# KiCad board CXD-ROUTER-V1.0_PUBLISH.kicad_pcb
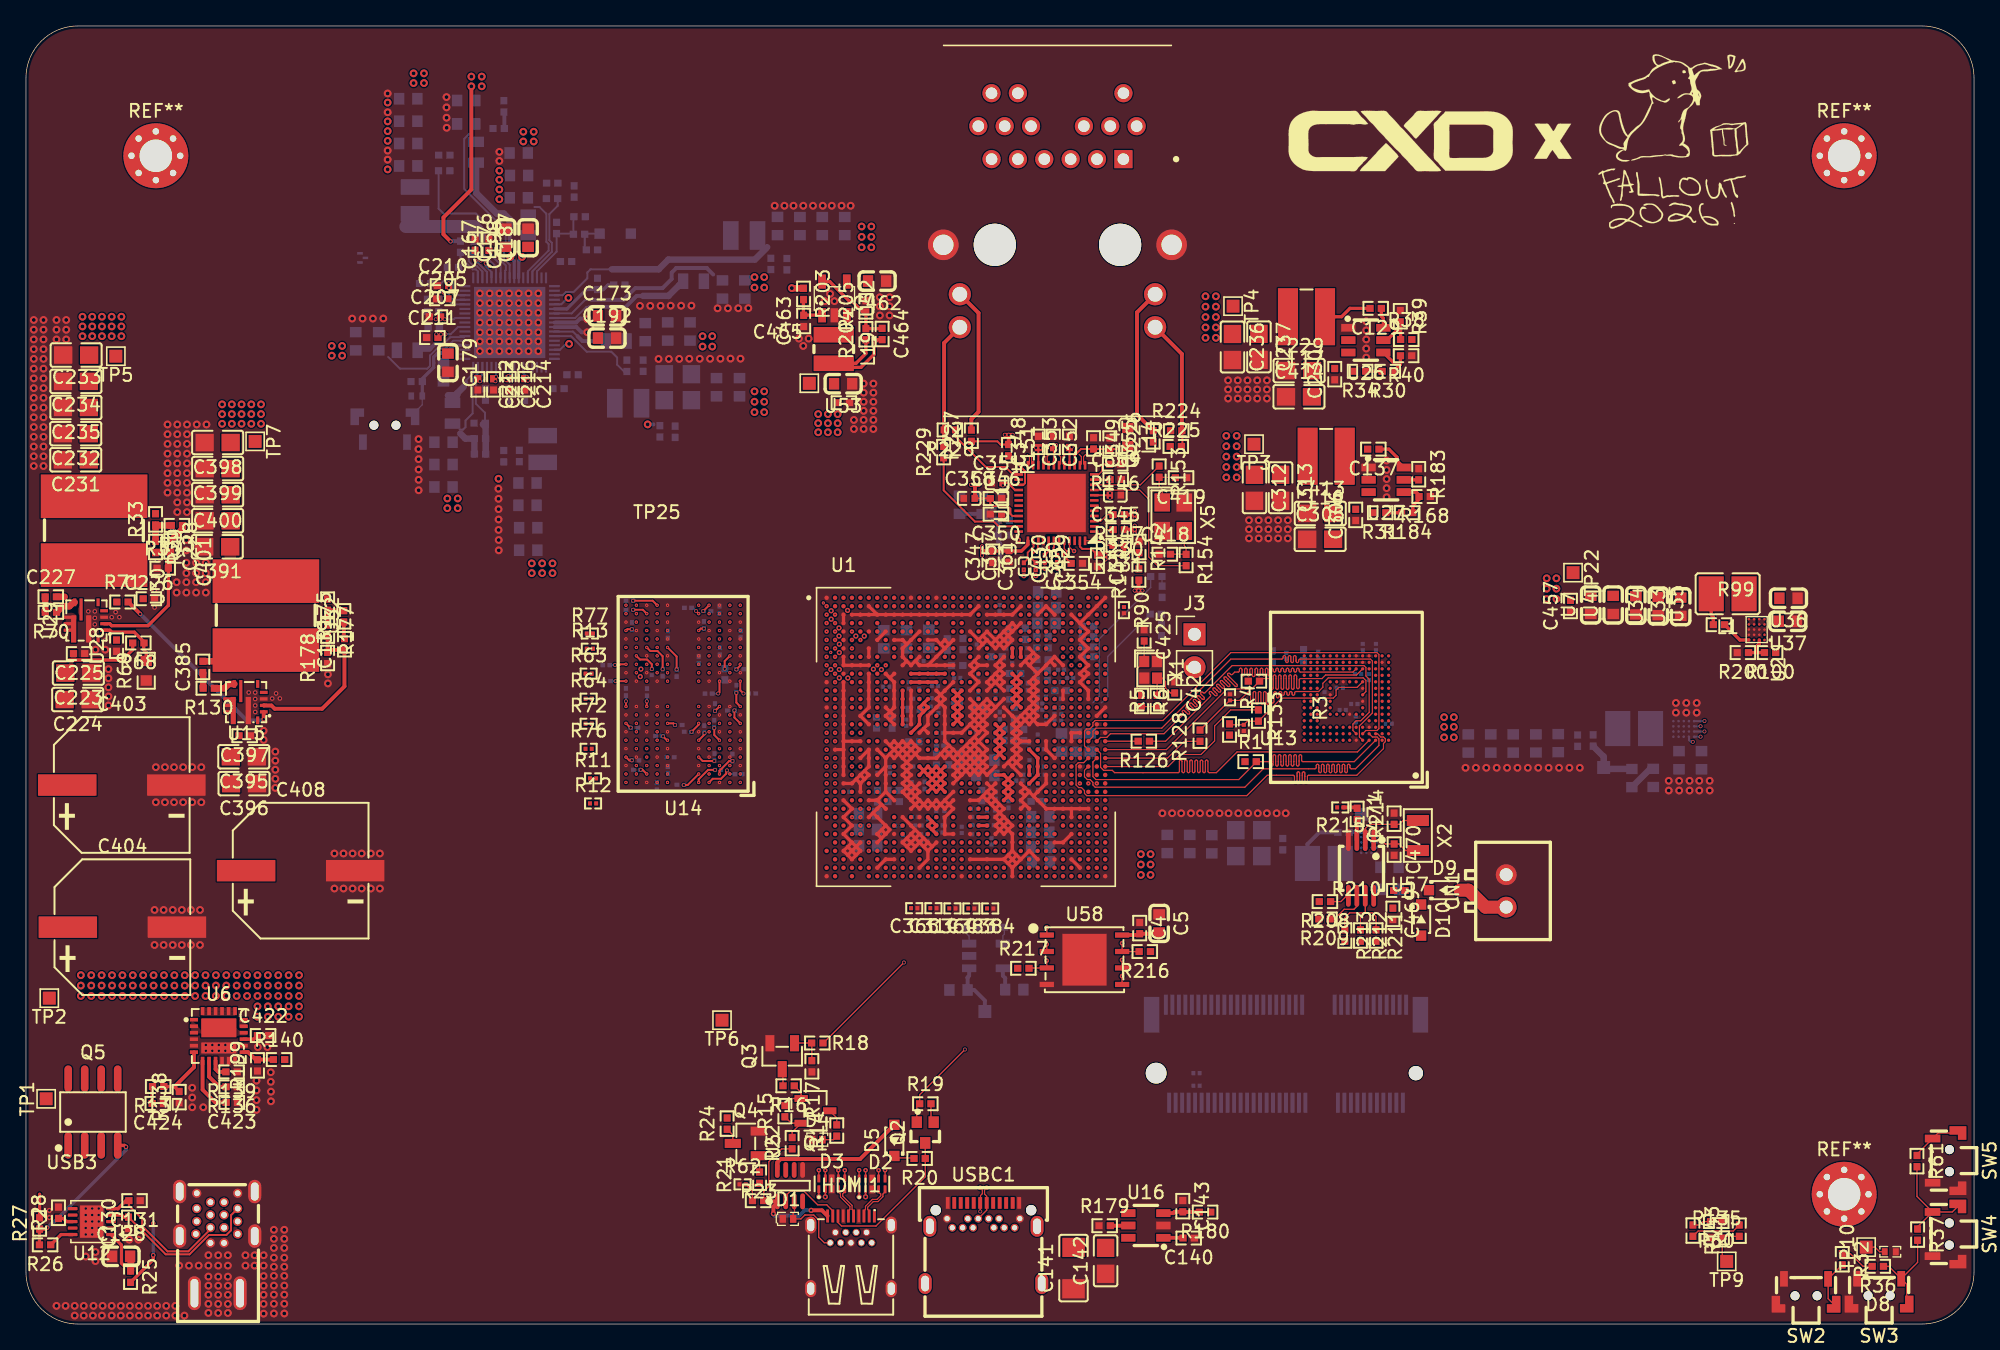
[diagram p0: board, top side]
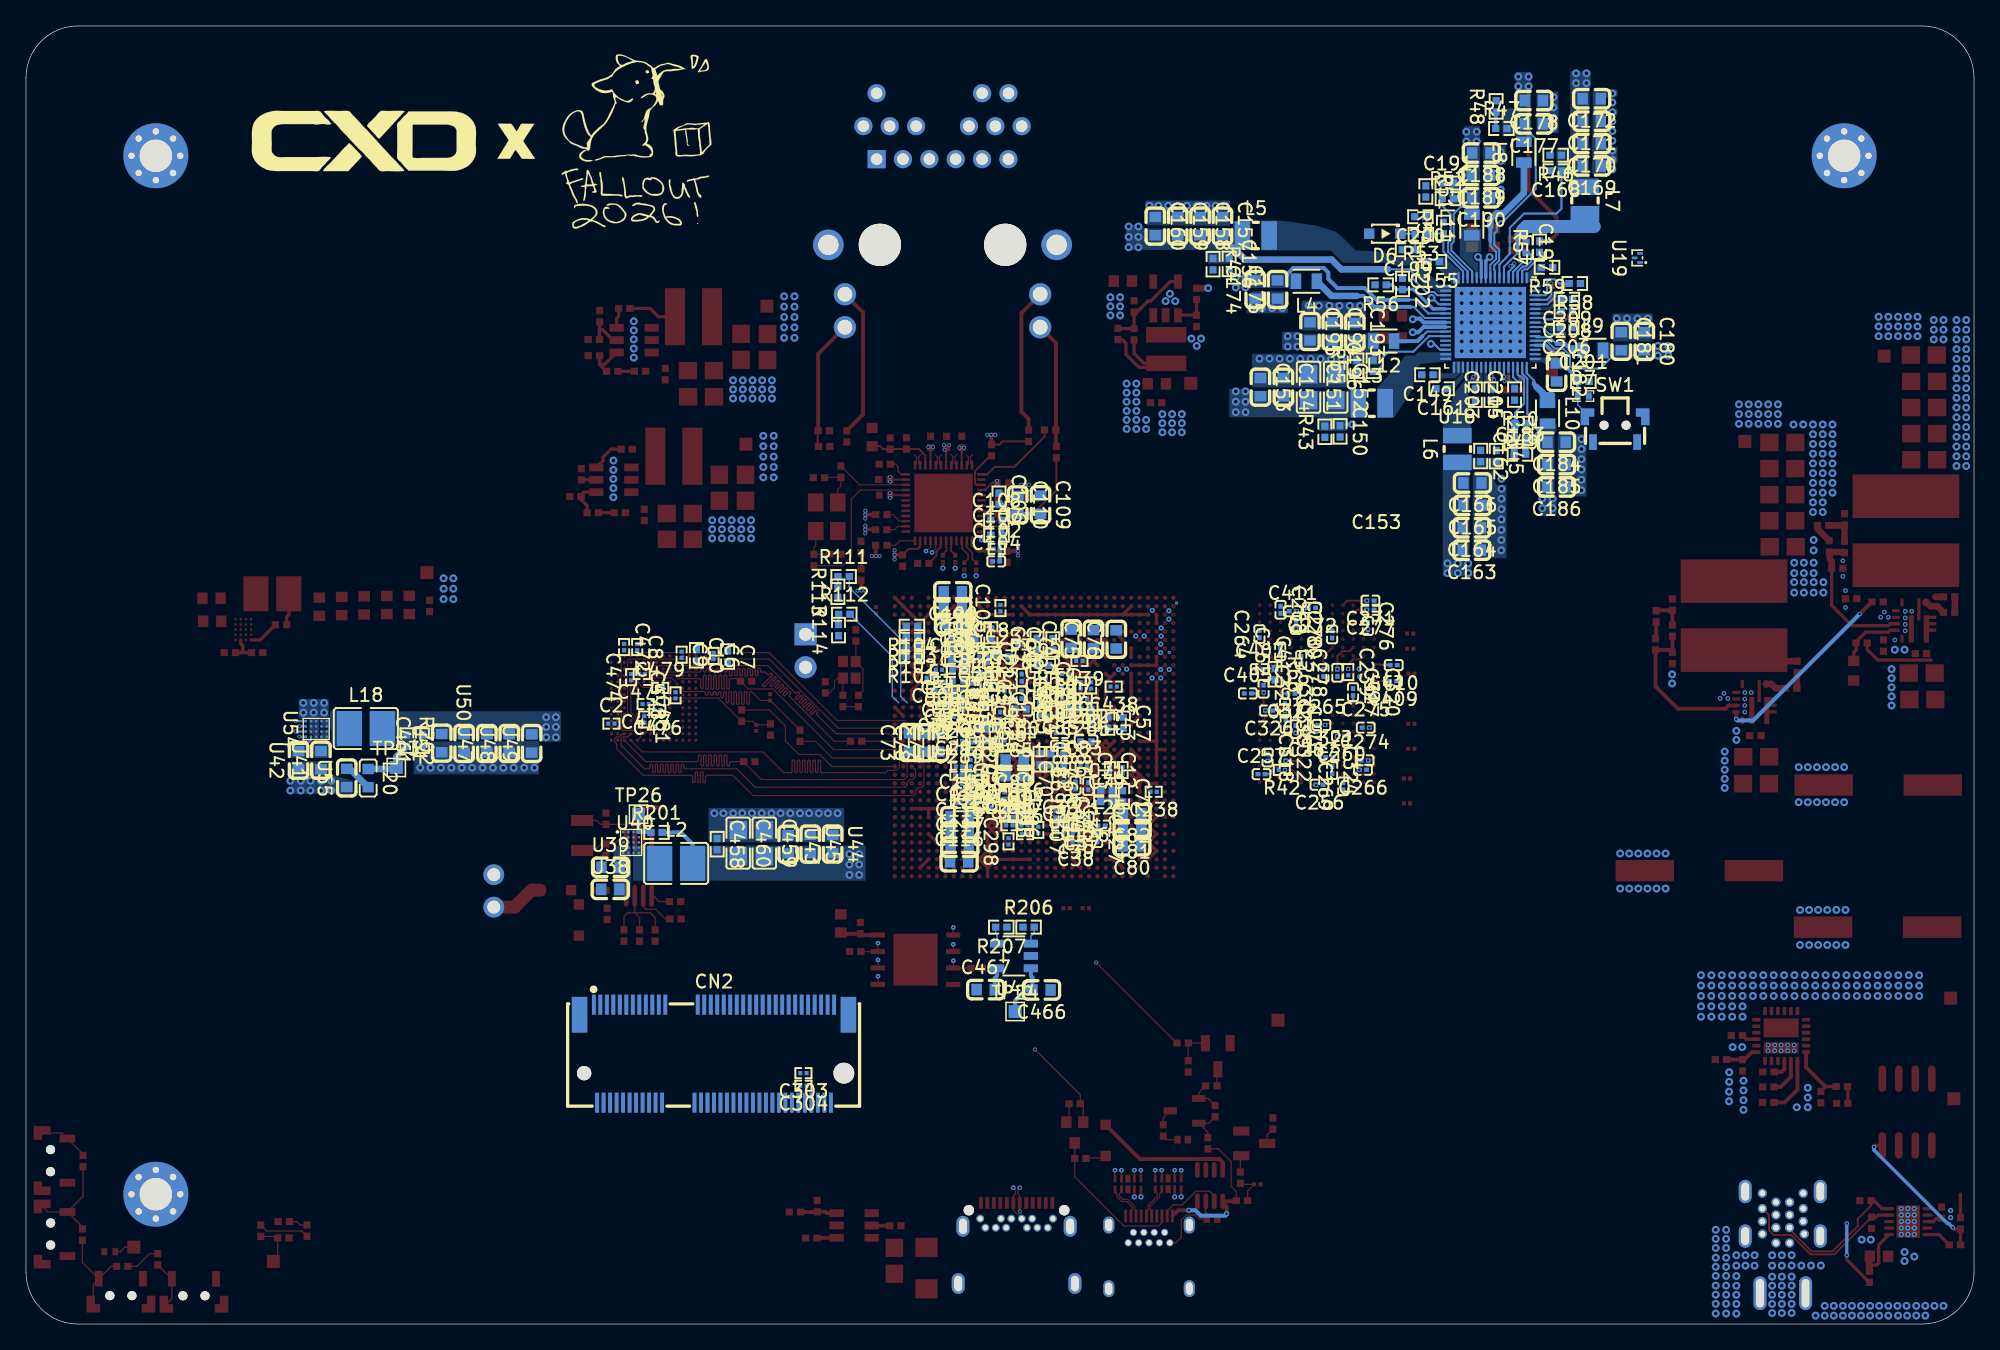
[diagram p1: board, bottom side, seen from below]

Outline 150 x 100 mm; copper layers: Top, In1.Cu (plane), In2.Cu, In3.Cu (plane), In4.Cu (plane), In5.Cu, In6.Cu (plane), In7.Cu, In8.Cu (plane), Bottom. Coordinates in mm from the lower left corner of the outline.
Outline path: 0,96 arc(1.17,98.83) 4,100 146,100 arc(148.83,98.83) 150,96 150,4 arc(148.83,1.17) 146,0 4,0 arc(1.17,1.17) 0,4 0,96
Stack: Top 0.035mm / dielectric 0mm FR4 er 4.5 / In1.Cu 0.035mm / dielectric 0mm FR4 er 4.5 / In2.Cu 0.035mm / dielectric 0mm FR4 er 4.5 / In3.Cu 0.035mm / dielectric 0mm FR4 er 4.5 / In4.Cu 0.035mm / dielectric 0mm FR4 er 4.5 / In5.Cu 0.035mm / dielectric 0mm FR4 er 4.5 / In6.Cu 0.035mm / dielectric 0mm FR4 er 4.5 / In7.Cu 0.035mm / dielectric 0mm FR4 er 4.5 / In8.Cu 0.035mm / dielectric 0mm FR4 er 4.5 / Bottom 0.035mm

## Placement (name value [footprint] x y rotation side)
C1  100nF 6.3V 0201  [RC0201FR-0749R9L]  67.79 46.33 270 bottom
C2  1uF X5R 10% 0201  [RC0201FR-0749R9L]  104.92 46.26 180 bottom
C3  100nF X5R 16V - DNP  [RC0201FR-0749R9L]  93.77 45.93 270 top
C4  100nF 50V  0402  [RC0402JR-070RL]  85.76 30.5 270 top
C5  1uF 25V 6030  [CL10B105KA8NNNC]  87.25 30.86 270 top
C6  100nF X5R 16V 0201  [RC0201FR-0749R9L]  97.05 51.47 270 bottom
C7  4.7uF X5R 10V 0402  [RC0402JR-070RL]  95.98 51.43 270 bottom
C8  100nF X5R 16V 0201  [RC0201FR-0749R9L]  102.93 52.16 270 bottom
C9  100nF X5R 16V 0201  [RC0201FR-0749R9L]  99.52 51.57 270 bottom
C10  4.7uF X5R 10V 0402  [RC0402JR-070RL]  98.37 51.52 270 bottom
C11  1uF 6.3V 0201  [RC0201FR-0749R9L]  77.9 45.18 90 bottom
C12  100nF 0201 6.3V  [RC0201FR-0749R9L]  66.54 42.68 270 bottom
C13  100nF 0201 6.3V  [RC0201FR-0749R9L]  65.56 42.68 90 bottom
C14  1uF 6.3V 0201  [RC0201FR-0749R9L]  73.08 39.07 180 bottom
C15  100nF 0201 6.3V  [RC0201FR-0749R9L]  73.08 37.73 180 bottom
C16  2.2nF 25V 0201  [RC0201FR-0747KL]  73.02 39.71 180 bottom
C17  100nF 0201 6.3V  [RC0201FR-0749R9L]  73.12 38.43 180 bottom
C18  100nF 0201 6.3V  [RC0201FR-0749R9L]  75.72 52.05 180 bottom
C19  4.7uF 10V 04024  [RC0402JR-070RL]  75.7 53.12 90 bottom
C20  100nF 0201 6.3V  [RC0201FR-0749R9L]  76.87 52.07 0 bottom
C21  4.7uF 10V 04024  [RC0402JR-070RL]  76.95 53.18 90 bottom
C22  100nF 0201 6.3V  [RC0201FR-0749R9L]  75.93 51.15 270 bottom
C23  4.7uF 10V 04024  [RC0402JR-070RL]  74.74 51.41 180 bottom
C24  100nF 0201 6.3V  [RC0201FR-0749R9L]  76.85 51.39 0 bottom
C25  4.7uF 10V 04024  [RC0402JR-070RL]  76.15 50.12 180 bottom
C26  1uF 6.3V 0201  [RC0201FR-0749R9L]  78.54 48.57 270 bottom
C27  10uF 4V 0402 20%  [RC0402JR-070RL]  79.66 48.79 0 bottom
C28  100nF 0201 6.3V  [RC0201FR-0749R9L]  79.45 49.47 0 bottom
C29  100nF 0201 6.3V  [RC0201FR-0749R9L]  77.89 48.56 270 bottom
C30  1uF 6.3V 0201  [RC0201FR-0749R9L]  80.4 49.78 0 bottom
C31  1uF 6.3V 0201  [RC0201FR-0749R9L]  79.7 50.41 0 bottom
C32  1uF 6.3V 0201  [RC0201FR-0749R9L]  70.33 37.87 180 bottom
C33  100nF 6.3V 0201  [RC0201FR-0749R9L]  70.34 38.42 180 bottom
C34  1uF 6.3V 0201  [RC0201FR-0749R9L]  70.71 39.27 270 bottom
C35  100nF 6.3V 0201  [RC0201FR-0749R9L]  70.09 39.29 270 bottom
C36  1uF 6.3V 0201  [RC0201FR-0749R9L]  69.48 38.64 270 bottom
C37  100nF 6.3V 0201  [RC0201FR-0749R9L]  68.71 38.41 0 bottom
C38  1uF 6.3V 0201  [RC0201FR-0749R9L]  69.17 37.19 0 bottom
C39  100nF 6.3V 0201  [RC0201FR-0749R9L]  69.17 37.73 0 bottom
C43  10V 4.7uF 0402  [FRC0402F1693TS]  66.7 46.34 270 bottom
C46  100nF 0201 6.3V X5R  [RC0201FR-0749R9L]  79.45 48.17 0 bottom
C47  100nF 0201 6.3V X5R  [RC0201FR-0749R9L]  79.2 46.74 270 bottom
C48  1uF 0201 4V X5R  [RC0201FR-0749R9L]  79.73 46.74 270 bottom
C49  100nF 0201 6.3V X5R  [RC0201FR-0749R9L]  78.26 47.57 270 bottom
C50  1uF 0201 4V X5R  [RC0201FR-0749R9L]  77.84 47.56 270 bottom
C51  100nF 0201 6.3V X5R  [RC0201FR-0749R9L]  72.95 45.59 0 bottom
C53  100nF 0201 10V X5R  [CL03A104KP3NNNC]  74.65 45.25 270 bottom
C54  4.7uF 0402_BGA 6.3V X5R  [RC0402JR-070RL]  75.31 45.39 270 bottom
C55  10uF X5R 4V 0402_BGA  [RC0402JR-070RL]  76.05 45.39 270 bottom
C56  10uF X5R 4V 0402_BGA  [RC0402JR-070RL]  76.83 45.38 270 bottom
C57  10V 10uF 0402  [10uF_X5R_10V_0402]  65.5 46.31 270 bottom
C58  1uF 4V 0201  [RC0201FR-0749R9L]  67.98 49.2 90 bottom
C59  100nF X5R 10V 0201  [CL03A104KP3NNNC]  73.34 48.46 270 bottom
C60  1uF X5R 6.3V 0201  [CL05A105KQ5NNNC]  73.38 47.38 0 bottom
C61  100nF 0201 10V X5R  [CL03A104KP3NNNC]  71.7 46.87 180 bottom
C62  100nF 0201 10V X5R  [CL03A104KP3NNNC]  71.7 47.84 180 bottom
C63  1uF X5R 6.3V 0201  [RC0201FR-0749R9L]  71.7 49.78 180 bottom
C64  1uF X5R 6.3V 0201  [RC0201FR-0749R9L]  71.73 48.82 180 bottom
C65  4.7uF 6.3V 0402_BGA  [RC0402JR-070RL]  71.7 50.73 180 bottom
C66  10uF X5R 4V 0402_BGA  [RC0402JR-070RL]  70.93 52.35 90 bottom
C67  10uF X5R 4V 0402_BGA  [RC0402JR-070RL]  72.15 52.39 90 bottom
C68  100nF X5R 100V 0201  [CL03A104KP3NNNC]  68.2 41.45 90 bottom
C69  100nF X5R 100V 0201  [CL03A104KP3NNNC]  69.18 41.5 90 bottom
C70  1uF X5R 6.3V 0201  [RC0201FR-0749R9L]  70.11 42.02 90 bottom
C71  4.7uF X5R 6.3V 0402_BGA  [RC0402JR-070RL]  66.8 41.12 180 bottom
C72  10uF X5R 4V 0402_BGA  [RC0402JR-070RL]  65.56 40.66 270 bottom
C73  22uF 0603 6.3V X5R  [GRM188R60J226KEA0D]  81.96 44.8 90 bottom
C74  22uF X5R 6.3V 0603  [GRM188R60J226KEA0D]  69.52 52.8 90 bottom
C75  22uF X5R 6.3V 0603  [GRM188R60J226KEA0D]  67.8 52.76 90 bottom
C76  22uF X5R 6.3V 0603  [GRM188R60J226KEA0D]  66.04 52.75 90 bottom
C77  22uF 0603 6.3V X5R  [GRM188R60J226KEA0D]  79.74 44.8 90 bottom
C78  22uF 0603 6.3V X5R  [GRM188R60J226KEA0D]  80.86 44.78 90 bottom
C79  10uF X5R 4V 0402_BGA  [RC0402JR-070RL]  66.81 40.24 180 bottom
C80  22uF 0603 6.3V X5R  [GRM188R60J226KEA0D]  64.85 36.85 0 bottom
C81  22uF 0603 6.3V X5R  [GRM188R60J226KEA0D]  64.83 38.09 0 bottom
C82  22uF 0603 6.3V X5R  [GRM188R60J226KEA0D]  64.83 39.32 0 bottom
C83  1uF 6.3V 0201  [RC0201FR-0749R9L]  68.55 42.96 180 bottom
C84  100nF 0201 10V X5R  [CL03A104KP3NNNC]  70.38 45.54 180 bottom
C85  100nF 0201 10V X5R  [CL03A104KP3NNNC]  70.38 44.56 180 bottom
C86  1uF X5R 6.3V 0201  [CL05A105KQ5NNNC]  70.1 43.52 270 bottom
C87  10uF X5R 4V 0402_BGA  [RC0402JR-070RL]  71.07 43.51 270 bottom
C88  10uF X5R 4V 0402_BGA  [RC0402JR-070RL]  71.92 43.51 270 bottom
C89  22uF X5R 6.3V 0603  [GRM188R60J226KEA0D]  73.87 43.44 0 bottom
C90  22uF X5R 6.3V 0603  [GRM188R60J226KEA0D]  73.87 42.26 0 bottom
C91  1uF X5R 6.3V 0201  [CL05A105KQ5NNNC]  68.37 44.85 180 bottom
C92  100nF 0201 10V X5R  [CL03A104KP3NNNC]  77.14 49.1 270 bottom
C93  100nF 0201 10V X5R  [CL03A104KP3NNNC]  76.56 49.1 270 bottom
C94  1uF X5R 6.3V 0201  [CL05A105KQ5NNNC]  78.23 49.6 180 bottom
C95  1uF X5R 6.3V 0201  [CL05A105KQ5NNNC]  78.23 50.35 180 bottom
C96  4.7uF 6.3V 0402_BGA  [RC0402JR-070RL]  78.27 51.19 180 bottom
C97  10uF X5R 4V 0402_BGA  [RC0402JR-070RL]  78.27 52.09 180 bottom
C98  10uF X5R 4V 0402_BGA  [RC0402JR-070RL]  78.27 52.98 180 bottom
C99  22uF X5R 6.3V 0603  [GRM188R60J226KEA0D]  78.63 55.18 0 bottom
C100  22uF X5R 6.3V 0603  [GRM188R60J226KEA0D]  78.63 56.41 0 bottom
C101  22uF X5R 6.3V 0603  [GRM188R60J226KEA0D]  78.58 53.97 0 bottom
C102  1uF X5R 6.3V 0201  [RC0201FR-0749R9L]  75.26 59.71 180 bottom
C103  100nF X5R 100V 0201  [CL03A104KP3NNNC]  73.32 49.79 90 bottom
C104  100nF X5R 100V 0201  [CL03A104KP3NNNC]  75.29 58.76 180 bottom
C105  1uF X5R 6.3V 0201  [RC0201FR-0749R9L]  74.97 55.16 90 bottom
C106  4.7uF X5R 6.3V 0402_BGA  [RC0402JR-070RL]  75.08 63.58 270 bottom
C107  10uF X5R 4V 0402_BGA  [RC0402JR-070RL]  75.27 60.78 180 bottom
C108  10uF X5R 4V 0402_BGA  [RC0402JR-070RL]  75.28 61.93 180 bottom
C109  22uF 0603 6.3V X5R  [GRM188R60J226KEA0D]  71.88 63.12 270 bottom
C110  22uF 0603 6.3V X5R  [GRM188R60J226KEA0D]  73.63 63.1 270 bottom
C111  100nF X5R 100V 0201  [CL03A104KP3NNNC]  75.65 40.04 90 bottom
C112  1uF X5R 6.3V 0201  [RC0201FR-0749R9L]  76.64 40.01 90 bottom
C113  10uF X5R 4V 0402_BGA  [RC0402JR-070RL]  77.83 40.27 180 bottom
C114  22uF 0603 6.3V X5R  [GRM188R60J226KEA0D]  78.1 39.08 180 bottom
C115  22uF 0603 6.3V X5R  [GRM188R60J226KEA0D]  78.1 37.89 180 bottom
C116  22uF 0603 6.3V X5R  [GRM188R60J226KEA0D]  78.15 35.62 180 bottom
C117  22uF 0603 6.3V X5R  [GRM188R60J226KEA0D]  78.1 36.74 180 bottom
C118  1uF X5R 6.3V 0201  [CL05A105KQ5NNNC]  73.6 40.71 90 bottom
C119  1uF X5R 6.3V 0201  [CL05A105KQ5NNNC]  75.75 48.54 270 bottom
C120  1uF X5R 6.3V 0201  [CL05A105KQ5NNNC]  76.1 47.06 90 bottom
C121  100nF X5R 100V 0201  [CL03A104KP3NNNC]  74.98 46.87 270 bottom
C122  100nF X5R 100V 0201  [CL03A104KP3NNNC]  74.67 40.72 270 bottom
C123  100nF X5R 100V 0201  [CL03A104KP3NNNC]  74.65 48.48 90 bottom
C125  100nF X5R 10V 0201  [CL03A104KP3NNNC]  67.18 38.4 180 bottom
C126  100nF X5R 10V 0201  [CL03A104KP3NNNC]  68.47 39.07 0 bottom
C127  100nF X5R 10V 0201  [CL03A104KP3NNNC]  67.52 37.43 270 bottom
C128  1uF 25V 0603  [CL10B105KA8NNNC]  7.32 5.21 0 top
C129  100nF 0402  [RC0402JR-070RL]  103.93 78.25 180 top
C130  220pF 0402 C0G 50V  [RC0402JR-070RL]  7.9 7.8 90 top
C131  220pF 0402 C0G 50V  [RC0402JR-070RL]  8.36 9.51 180 top
C137  100nF 0402  [RC0402JR-070RL]  103.74 67.4 180 top
C139  100nF 50V 0402  [RC0402JR-070RL]  24.52 52.37 90 top
C140  100nF 50V 0402  [RC0402JR-070RL]  89.53 6.62 180 top
C141  100uF 10V 1206  [GRM31CR61A107MEA8L]  80.66 4.31 90 top
C142  10V 47uF 0805  [GRM21BR61A476ME15L]  83.13 4.87 90 top
C143  100nF 50V 0402  [RC0402JR-070RL]  89.08 9.08 270 top
C149  22uF X5R 10V  [RC0402JR-070RL]  42.09 73.13 0 bottom
C150  1uF X5R 10V 0402  [FRC0402F1693TS]  48.81 68.77 270 bottom
C151  47uF X5R 6.3V 0805  [CL21A476MQYNNNE]  51.24 72.17 270 bottom
C152  47uF X5R 6.3V 0805  [CL21A476MQYNNNE]  49.15 72.17 270 bottom
C153  22uF X5R 6.3V 0603  [CL10A226MQ8NRNC]  54.95 72.17 270 bottom
C154  22uF X5R 6.3V 0603  [CL10A226MQ8NRNC]  53.17 72.17 270 bottom
C155  22uF X5R 10V  [RC0402JR-070RL]  41.59 81.86 0 bottom
C156  1uF X5R 10V 0402  [FRC0402F1693TS]  57.36 81.67 270 bottom
C157  22uF X5R 6.3V 0603  [CL10A226MQ8NRNC]  57.87 84.58 270 bottom
C158  22uF X5R 6.3V 0603  [CL10A226MQ8NRNC]  59.59 84.58 270 bottom
C159  22uF X5R 6.3V 0603  [CL10A226MQ8NRNC]  61.32 84.58 270 bottom
C160  22uF X5R 6.3V 0603  [CL10A226MQ8NRNC]  63.04 84.58 270 bottom
C161  22uF X5R 10V  [RC0402JR-070RL]  41 72.06 0 bottom
C162  1uF X5R 10V 0402  [FRC0402F1693TS]  37.99 66.87 270 bottom
C163  22uF X5R 6.3V 0603  [CL10A226MQ8NRNC]  38.67 59.62 0 bottom
C164  22uF X5R 6.3V 0603  [CL10A226MQ8NRNC]  38.67 61.34 0 bottom
C165  22uF X5R 6.3V 0603  [CL10A226MQ8NRNC]  38.62 63.07 0 bottom
C166  22uF X5R 6.3V 0603  [CL10A226MQ8NRNC]  38.62 64.79 0 bottom
C167  22uF X5R 10V  [RC0402JR-070RL]  35.65 83.14 90 top
C168  1uF X5R 10V 0402  [FRC0402F1693TS]  32.2 88.84 0 bottom
C169  22uF X5R 6.3V 0603  [CL10A226MQ8NRNC]  29.44 89.22 0 bottom
C170  22uF X5R 6.3V 0603  [CL10A226MQ8NRNC]  29.44 90.94 0 bottom
C171  22uF X5R 6.3V 0603  [CL10A226MQ8NRNC]  29.44 92.67 0 bottom
C172  22uF X5R 6.3V 0603  [CL10A226MQ8NRNC]  29.44 94.39 0 bottom
C173  10uF X5R 10V 0603  [CL10A106KP8NNNC]  44.74 77.67 0 top
C174  22uF X5R 6.3V 0603  [CL10A226MQ8NRNC]  55.35 79.7 90 bottom
C175  22uF X5R 6.3V 0603  [CL10A226MQ8NRNC]  53.63 79.7 90 bottom
C176  10uF X5R 10V 0603  [CL10A106KP8NNNC]  36.94 83.68 90 top
C177  22uF X5R 6.3V 0603  [CL10A226MQ8NRNC]  33.89 92.46 0 bottom
C178  22uF X5R 6.3V 0603  [CL10A226MQ8NRNC]  33.89 94.26 0 bottom
C179  10uF X5R 10V 0603  [CL10A106KP8NNNC]  32.49 74.06 270 top
C180  22uF X5R 6.3V 0603  [CL10A226MQ8NRNC]  25.39 75.71 270 bottom
C181  22uF X5R 6.3V 0603  [CL10A226MQ8NRNC]  27.16 75.71 270 bottom
C182  10uF X5R 10V 0603  [CL10A106KP8NNNC]  32.14 73.31 270 bottom
C183  100pF C0G 40V 0402  [FRC0402F1693TS]  34.96 67.01 180 bottom
C184  10uF X5R 10V 0603  [CL10A106KP8NNNC]  32.15 67.94 0 bottom
C185  22uF X5R 6.3V 0603  [CL10A226MQ8NRNC]  32.15 66.21 0 bottom
C186  22uF X5R 6.3V 0603  [CL10A226MQ8NRNC]  32.15 64.49 0 bottom
C187  10uF X5R 10V 0603  [CL10A106KP8NNNC]  38.66 83.68 90 top
C188  22uF X5R 6.3V 0603  [CL10A226MQ8NRNC]  37.94 90.21 0 bottom
C189  22uF X5R 6.3V 0603  [CL10A226MQ8NRNC]  37.97 88.49 0 bottom
C190  10uF X5R 10V 0603  [CL10A106KP8NNNC]  37.95 86.76 0 bottom
C191  100pF C0G 40V 0402  [FRC0402F1693TS]  40.52 87.9 180 bottom
C192  10uF X5R 10V 0603  [CL10A106KP8NNNC]  44.74 75.96 0 top
C193  22uF X5R 6.3V 0603  [CL10A226MQ8NRNC]  47.68 76.41 270 bottom
C194  22uF X5R 6.3V 0603  [CL10A226MQ8NRNC]  49.41 76.46 270 bottom
C195  10uF X5R 10V 0603  [CL10A106KP8NNNC]  51.13 76.46 270 bottom
C196  1uF X5R 10V 0402  [FRC0402F1693TS]  46.27 73.82 90 bottom
C197  1uF X5R 6.3V 0402  [CL05A105KQ5NNNC]  34.5 82.93 270 bottom
C198  1uF X5R 10V 0402  [FRC0402F1693TS]  34.58 83.16 270 top
C199  4.7uF 0402 10V X5R  [FRC0402F1693TS]  43.58 82.75 0 bottom
C200  1nF 0402 C0G 25V  [FRC0402F1693TS]  42.63 85.31 0 bottom
C201  1nF 0402 C0G 25V  [FRC0402F1693TS]  30.08 72.61 180 bottom
C202  10nF X7R 25V 0402  [FRC0402F1693TS]  44 80.13 270 bottom
C203  1uF X5R 10V 0402  [FRC0402F1693TS]  37.2 71.6 90 bottom
C204  1uF X5R 10V 0402  [FRC0402F1693TS]  35.38 71.61 90 bottom
C205  1uF X5R 10V 0402  [FRC0402F1693TS]  32.05 78.98 0 top
C206  1uF X5R 10V 0402  [FRC0402F1693TS]  31.4 76.75 0 bottom
C207  2.2uF X5R 6.3V 0402  [FRC0402F1693TS]  31.49 77.59 0 top
C208  2.2uF X5R 6.3V 0402  [FRC0402F1693TS]  31.35 78 0 bottom
C209  2.2uF X5R 6.3V 0402  [FRC0402F1693TS]  31.35 78.95 0 bottom
C210  2.2uF X5R 6.3V 0402  [FRC0402F1693TS]  32.11 80 0 top
C211  2.2uF X5R 6.3V 0402  [FRC0402F1693TS]  31.29 76 0 top
C212  1uF X5R 6.3V 0402  [FRC0402F1693TS]  34.8 72.39 270 top
C213  1uF X5R 6.3V 0402  [FRC0402F1693TS]  36 72.39 270 top
C214  1uF X5R 6.3V 0402  [FRC0402F1693TS]  38.4 72.4 270 top
C215  1uF X5R 6.3V 0402  [FRC0402F1693TS]  38.4 71.6 270 bottom
C216  1uF X5R 6.3V 0402  [FRC0402F1693TS]  37.2 72.4 270 top
C223  10uF 50V 0805  [GRM21BR61H106KE43L]  4.03 50.15 180 top
C224  10uF 50V 0805  [GRM21BR61H106KE43L]  3.98 48.11 180 top
C225  100nF 0402 50V  [RC0402JR-070RL]  4.09 51.65 180 top
C226  47nF 0402  [RC0402JR-070RL]  9.46 55.88 0 top
C227  100nF 50V 0402  [RC0402JR-070RL]  1.91 56.03 0 top
C228  150pF 0402 50V  [RC0402JR-070RL]  11.15 59.91 270 top
C229  10uF 50V 0805  [GRM21BR61H106KE43L]  98.03 73.45 0 top
C230  100nF 0402 50V  [RC0402JR-070RL]  100.77 73.18 90 top
C231  22uF 10V 0805 10%  [CL21A226KPCLRNC]  3.83 66.58 180 top
C232  22uF 10V 0805 10%  [CL21A226KPCLRNC]  3.83 68.59 180 top
C233  22uF 10V 0805 10%  [CL21A226KPCLRNC]  3.87 74.65 180 top
C234  22uF 10V 0805 10%  [CL21A226KPCLRNC]  3.85 72.62 180 top
C235  22uF 10V 0805 10%  [CL21A226KPCLRNC]  3.85 70.61 180 top
C236  22uF 10V 0805 10%  [CL21A226KPCLRNC]  92.9 75.27 270 top
C237  22uF 10V 0805 10%  [CL21A226KPCLRNC]  94.94 75.28 270 top
C238  100nF 6.3V X5R 0201  [RC0201FR-0749R9L]  63.16 41.01 0 bottom
C239  1nF X5R 25V 0201  [RC0201FR-07240RL]  48.19 50.23 270 bottom
C256  100nF X5R 10V 0201  [CL03A104KP3NNNC]  50.4 41.55 0 bottom
C257  100nF X5R 10V 0201  [CL03A104KP3NNNC]  54.86 42.36 180 bottom
C260  100nF X5R 10V 0201  [CL03A104KP3NNNC]  48.75 45.3 0 bottom
C262  100nF X5R 10V 0201  [CL03A104KP3NNNC]  53.42 51.83 90 bottom
C263  100nF X5R 10V 0201  [CL03A104KP3NNNC]  50.1 50.15 90 bottom
C264  100nF X5R 10V 0201  [CL03A104KP3NNNC]  55.02 53.15 90 bottom
C265  100nF X5R 10V 0201  [CL03A104KP3NNNC]  50.25 46.15 180 bottom
C266  100nF X5R 10V 0201  [CL03A104KP3NNNC]  47.05 42.7 0 bottom
C267  100nF X5R 10V 0201  [CL03A104KP3NNNC]  50.96 45.62 0 bottom
C268  100nF X5R 10V 0201  [CL03A104KP3NNNC]  53.4 55.03 270 bottom
C269  100nF X5R 10V 0201  [CL03A104KP3NNNC]  48.58 41.43 90 bottom
C270  100nF X5R 10V 0201  [CL03A104KP3NNNC]  52.2 53.85 270 bottom
C271  100nF X5R 10V 0201  [CL03A104KP3NNNC]  46.47 55.73 0 bottom
C272  100nF X5R 10V 0201  [CL03A104KP3NNNC]  50.97 55.18 0 bottom
C273  100nF X5R 10V 0201  [CL03A104KP3NNNC]  52.22 45.83 270 bottom
C274  100nF X5R 10V 0201  [CL03A104KP3NNNC]  46.92 43.43 180 bottom
C275  100nF X5R 10V 0201  [CL03A104KP3NNNC]  46.84 45.95 180 bottom
C276  100nF X5R 10V 0201  [CL03A104KP3NNNC]  46.67 53.78 270 bottom
C277  100nF X5R 10V 0201  [CL03A104KP3NNNC]  46.47 55.03 0 bottom
C278  100nF X5R 10V 0201  [CL03A104KP3NNNC]  49.02 50.18 90 bottom
C280  100nF X5R 10V 0201  [CL03A104KP3NNNC]  49.42 53.12 90 bottom
C281  100nF 6.3V 0201  [RC0201FR-0749R9L]  68.8 49.2 90 bottom
C282  1uF 4V 0201  [RC0201FR-0749R9L]  68.55 48.18 0 bottom
C285  10V 4.7uF 0402  [FRC0402F1693TS]  68.43 47.37 0 bottom
C286  100nF 6.3V 0201  [RC0201FR-0749R9L]  73.45 52.36 0 bottom
C287  100nF 6.3V 0201  [RC0201FR-0749R9L]  77.23 44.56 270 bottom
C288  100nF 6.3V 0201  [RC0201FR-0749R9L]  78.15 44.29 180 bottom
C289  1uF 6.3V 0201  [RC0201FR-0749R9L]  78.2 42.32 180 bottom
C290  1uF 6.3V 0201  [RC0201FR-0749R9L]  77.05 42.32 0 bottom
C291  100nF 6.3V 0201  [RC0201FR-0749R9L]  76.49 41.86 0 bottom
C292  1uF 6.3V 0201  [RC0201FR-0749R9L]  77.27 43.21 270 bottom
C293  100nF 6.3V 0201  [RC0201FR-0749R9L]  78.15 42.95 180 bottom
C295  1uF 6.3V 0201  [RC0201FR-0749R9L]  74.61 39.32 270 bottom
C296  100nF 6.3V 0201  [RC0201FR-0749R9L]  73.99 39.32 270 bottom
C297  1uF 6.3V 0201  [RC0201FR-0749R9L]  74.28 38.43 180 bottom
C298  100nF 6.3V 0201  [RC0201FR-0749R9L]  74.34 37.19 90 bottom
C299  100nF X5R 10V 0201  [CL03A104KP3NNNC]  77.24 41.33 270 bottom
C300  100nF X5R 10V 0201  [CL03A104KP3NNNC]  77.92 41.38 270 bottom
C301  100nF X5R 10V 0201  [CL03A104KP3NNNC]  78.55 46.53 270 bottom
C302  100nF X5R 10V 0201  [CL03A104KP3NNNC]  79.48 47.48 0 bottom
C303  220nF 0201 10%  [RC0201FR-0749R9L]  90.14 19.33 0 bottom
C304  220nF 0201 10%  [RC0201FR-0749R9L]  90.14 18.36 0 bottom
C305  10uF 50V 0805  [GRM21BR61H106KE43L]  99.65 60.45 0 top
C306  100nF 0402 50V  [RC0402JR-070RL]  102.39 62.34 90 top
C307  100nF 6.3V X5R 0201  [RC0201FR-0749R9L]  72.05 38.07 270 bottom
C312  22uF 10V 0805 10%  [CL21A226KPCLRNC]  94.6 64.43 270 top
C313  22uF 10V 0805 10%  [CL21A226KPCLRNC]  96.61 64.43 270 top
C314  1nF 25V X7R 0201  [RC0201FR-0749R9L]  69.87 32.04 180 top
C317  100nF X5R 10V 0201  [CL03A104KP3NNNC]  47.81 48.68 270 bottom
C318  100nF X5R 10V 0201  [CL03A104KP3NNNC]  54.39 43.64 270 bottom
C319  100nF X5R 10V 0201  [CL03A104KP3NNNC]  53 46.24 270 bottom
C320  100nF X5R 10V 0201  [CL03A104KP3NNNC]  46.19 48.69 270 bottom
C321  100nF X5R 10V 0201  [CL03A104KP3NNNC]  49.64 43.67 180 bottom
C322  100nF X5R 10V 0201  [CL03A104KP3NNNC]  53.02 43.67 270 bottom
C323  100nF X5R 10V 0201  [CL03A104KP3NNNC]  53.05 47.52 270 bottom
C324  100nF X5R 10V 0201  [CL03A104KP3NNNC]  49.42 42.67 270 bottom
C325  100nF X5R 10V 0201  [CL03A104KP3NNNC]  54.7 48.94 270 bottom
C326  100nF X5R 10V 0201  [CL03A104KP3NNNC]  54.28 47.26 0 bottom
C327  100nF X5R 10V 0201  [CL03A104KP3NNNC]  52.56 48.57 0 bottom
C345  10V 10uF 0402  [10uF_X5R_10V_0402]  83.88 63.85 180 top
C346  16V 2.2uF 0402  [FRC0402F1693TS]  74.69 63.59 0 top
C347  10V 1uF 0402  [FRC0402F1693TS]  74.45 59.11 90 top
C348  16V 2.2uF 0402  [FRC0402F1693TS]  77.95 67.96 90 top
C349  100nF 50V 0402  [RC0402JR-070RL]  82.2 67.84 270 top
C350  16V 2.2uF 0402  [FRC0402F1693TS]  74.69 62.4 180 top
C351  10V 10uF 0402  [10uF_X5R_10V_0402]  74.78 64.8 0 top
C352  16V 2.2uF 0402  [FRC0402F1693TS]  79.11 67.96 90 top
C353  16V 2.2uF 0402  [FRC0402F1693TS]  80.34 67.96 90 top
C354  10V 1uF 0402  [FRC0402F1693TS]  80.91 58.6 180 top
C355  100nF 50V 0402  [RC0402JR-070RL]  83.45 67.83 270 top
C356  16V 2.2uF 0402  [FRC0402F1693TS]  82.5 58.81 270 top
C357  10V 10uF 0402  [10uF_X5R_10V_0402]  75.7 59.13 90 top
C358  10V 10uF 0402  [10uF_X5R_10V_0402]  72.63 63.6 0 top